# Altium PCB Copy of 211105 PCB.PcbDoc (part 2 of 3)
Units mm, origin at the board's own origin, x right, y up, seen from the top; angles counter-clockwise.
Board outline 140 x 119 mm, 4 copper layers (Top Layer, Int1 (GND), Int2 (PWR), Bottom Layer), stack 1.369 mm thick; 309 components, 158 nets, 868 pads, 911 vias.
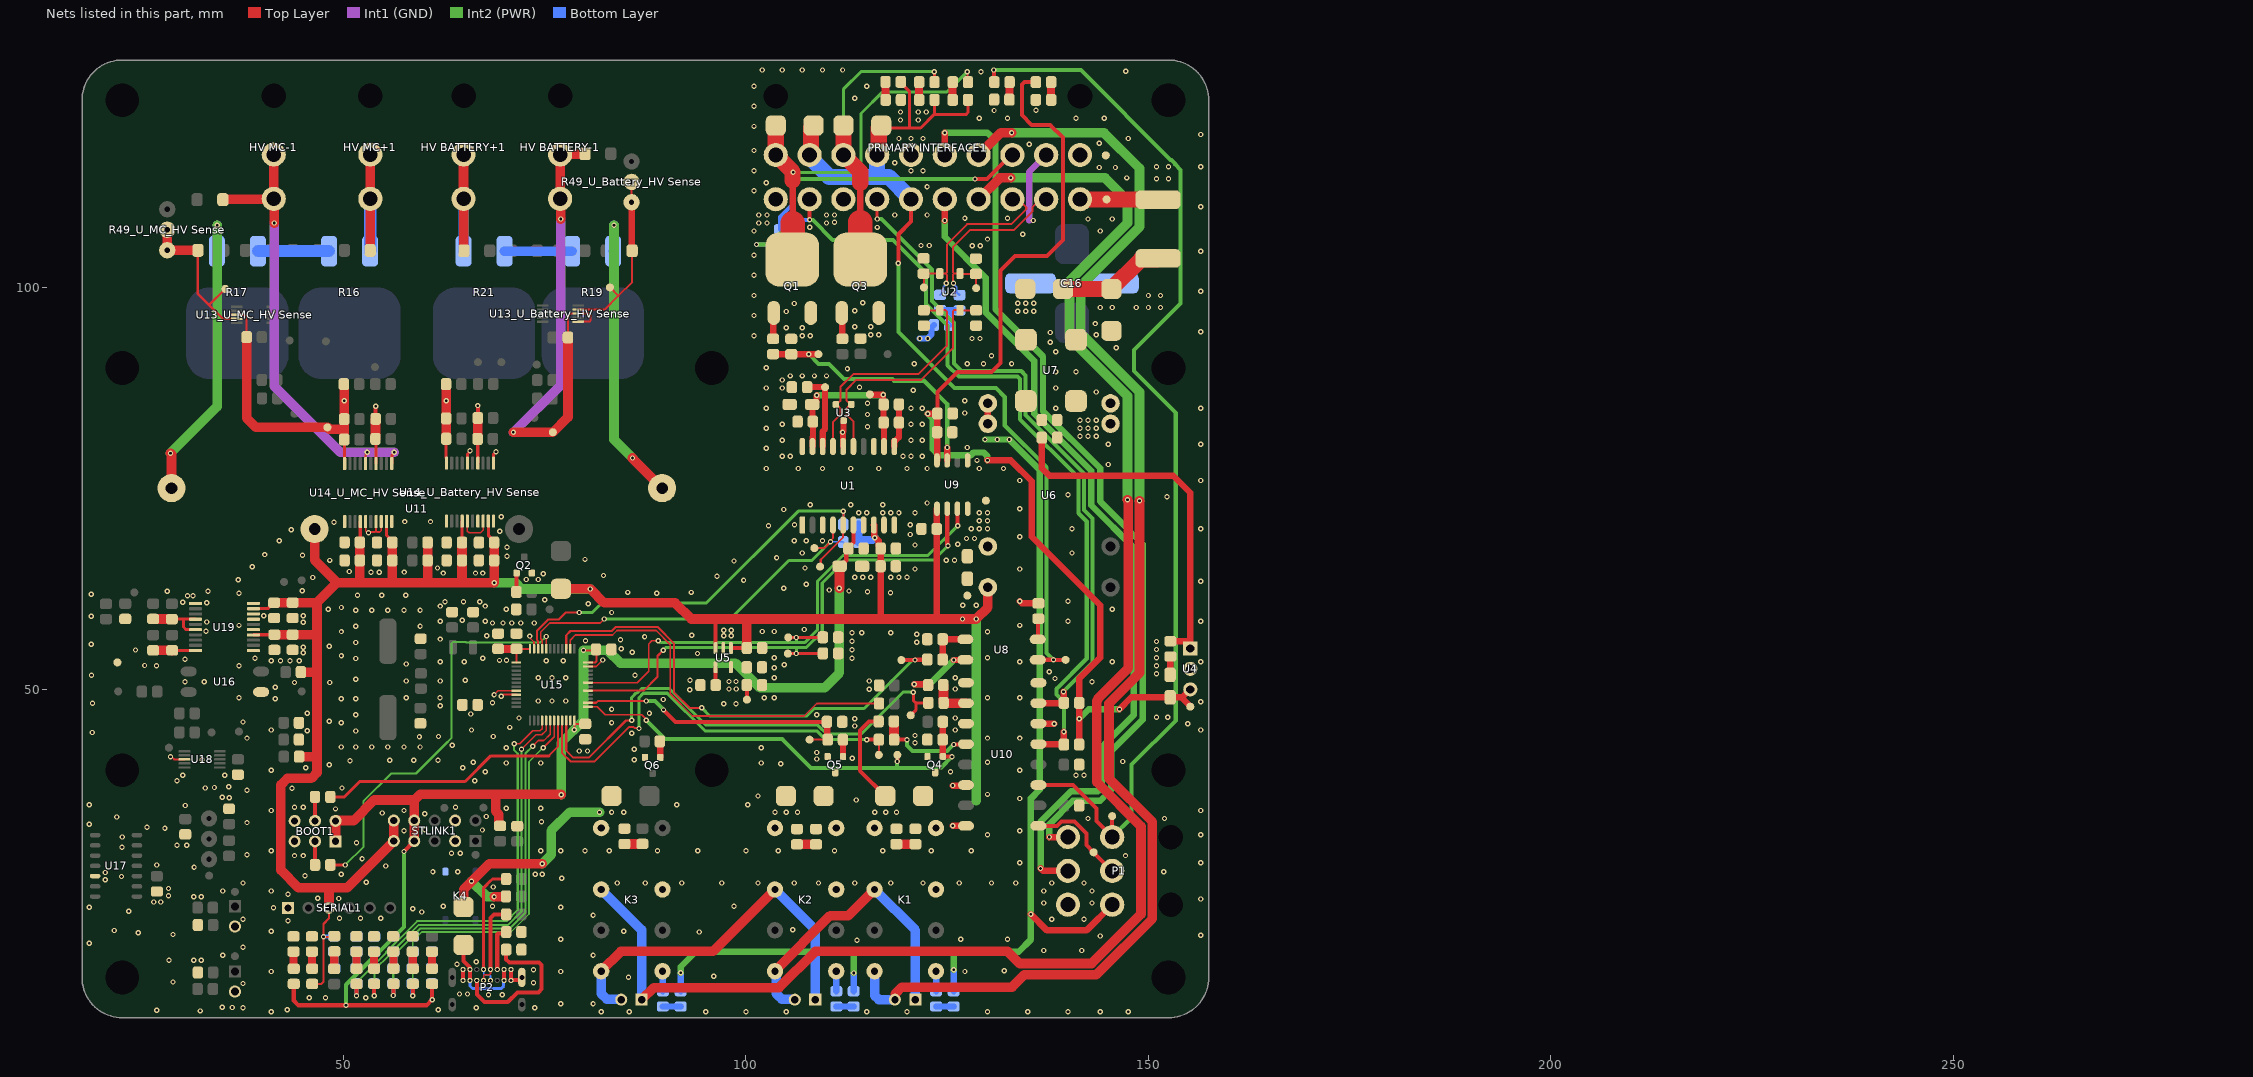
[diagram p4: the nets of this part, all layers, seen from the top]

## Via types
v1: diameter 0.66, hole 0.33, Top Layer to Bottom Layer, tented both sides, 911 vias

## Nets (pads, with @x,y where several pads share a name; then routed paths per layer and width w, separated by ;. In a path a pad name is that pad's centre, name@x,y a point inside that pad or via, vN(x,y) a via of type N, cw(c..) or ccw(c..) an arc to the next point about the centre after c; other vN are vias at no path point)
0V: C14.1 C15.1 C17.1 C18.1 C25.1 C26.1 P1.2 R32.1 R36.2 U4.2 U6.2 U6.3 U7.3 U9.5 U10.6 U10.8 | length 4.3
  Top Layer w0.8: U10.6@136.33,45.793 138.293,45.793 v1(138.3,45.8) ; C15.1@152.7,51.86 152.713,51.873 152.713,54.125 C14.1@152.726,54.138
  other v1: 138,21.5 142,21.5 137,23.5 143,23.5 137,25 143,25 138,26 142,26 147.15,29.4 142.5,34 141,39.4 142,39.4 143,51 138.4,51.4 151,52 137.675,52.25 151,53 145.5,53.5 151,54 151,55 151,56 140,58.5 145.5,60 140,61 140.5,67 140.5,70 140,74.25 145,78 128.7,78.5 127.5,80.1 145,80.5 141.5,81.5 142.5,81.5 143.5,81.5 141.5,82.5 142.5,82.5 143.5,82.5 141.5,83.5 142.5,83.5 143.5,83.5 127.171,84.4 138.5,85 127.171,85.9 143.5,87 138.5,87.5
"0V (Crystal 16MHZ)": C41.1 C42.1 R72.2
  other v1: 51.505,42.883 53.505,42.883 55.505,42.883 57.505,42.883 59.505,42.883 59.421,44.153 51.505,44.883 51.505,46.883 62,48 51.505,48.883 57.8,49 61.975,49 57.8,51.1 62,51.1 65.1,51.2 51.5,51.3 57.8,53.2 62,53.5 51.505,53.883 51.505,55.883 51.505,57.883 59.505,57.883 51.505,59.883 53.505,59.883 55.505,59.883 57.505,59.883 59.505,59.883
"0V (ISO)": "C32_U_Battery_HV Sense.1" "C32_U_MC_HV Sense.1" "C33_U_Battery_HV Sense.1" "C33_U_MC_HV Sense.1" "C34_U_Battery_HV Sense.1" "C34_U_MC_HV Sense.1" "C35_U_Battery_HV Sense.1" "C35_U_MC_HV Sense.1" "U14_U_Battery_HV Sense.1" "U14_U_Battery_HV Sense.5" "U14_U_Battery_HV Sense.7" "U14_U_Battery_HV Sense.8" "U14_U_Battery_HV Sense.10" "U14_U_MC_HV Sense.1" "U14_U_MC_HV Sense.5" "U14_U_MC_HV Sense.7" "U14_U_MC_HV Sense.8" "U14_U_MC_HV Sense.10" BOOT1.5 BOOT1.6 C1.1 C2.1 C7.1 C8.1 C19.1 C20.1 C21.1 C22.1 C23.1 C24.1 C36.1 C37.1 C38.1 C39.1 C40.1 C43.1 C44.1 C53.1 C54.1 C55.1 C56.1 C58.1 K4.2 P2.A1 P2.A12 P2.B1 P2.B12 P2.P1 Q2.S Q4.S Q5.S Q6.S R3.1 R4.1 R6.1 R14.1 R22.1 R28.1 R33.1 R35.1 R40.1 R55.1 R56.1 R57.1 R58.1 R70.2 R71.2 R72.1 R84.1 R90.1 R92.1 R93.1 R94.1 SERIAL1.1 STLINK1.3 STLINK1.4 TP10.1 U1.1 U1.3 U1.7 U1.9 U1.10 U5.2 U6.16 U9.4 U10.9 U10.11 U15.8 U15.23 U15.35 U15.47 U16.3 U19.1 U19.5 U19.7 U19.8 U19.10 | length 21.5
  Top Layer w0.203: 52.732,70.9 52.732,69.719 52.851,69.6 53.913,69.6 54.032,69.719 ; 54.032,70.9 54.032,69.719 ; 54.682,70.9 54.682,69.782 54.5,69.6 54.151,69.6 54.032,69.719 ; 65.383,70.956 65.383,69.717 65.6,69.5 67,69.5 67.333,69.833 67.333,70.956 ; v1(68.7,49.4) 69.191,49.891 U15.8@71.466,49.891 ; v1(73.14,56.674) 73.227,56.586 73.227,56.378 73.666,55.94 U15.47@73.666,55.091 ; U15.35@80.366,52.891 81.391,52.891 v1(82.2,53.7)
  Top Layer w0.508: P2.B1@64.848,13.895 P2.A12@64.848,15.245 ; P2.B12@70.771,13.868 P2.B12@70.798,13.895 ; P2.A1@70.798,15.245 P2.B12@70.798,13.895 ; P2.P1@72.148,14.265 72.148,14.104 71.967,13.923 70.825,13.923 P2.B12@70.798,13.895
  other v1: 41,10 43,10.25 61.75,10.25 66.5,10.5 73.75,10.5 77,11 45.75,11.75 47.75,11.75 52.75,11.75 68,12.1 69.7,12.1 64.4,12.2 65.4,12.2 73.6,13.6 41,15 77,15 73.6,15.2 64.1,15.9 66.5,16.2 77,19 41,20 43.1,21.3 49.5,21.6 52.1,21.6 54.6,21.6 59.7,22.4 58.6,22.8 41.3,22.9 77,23 62.4,23.1 68.5,23.1 49.388,24.061 46.8,24.1 43.1,24.6 41,25 68.6,25.5 52.825,26.075 77.1,26.6 45.2,26.9 49.7,27.1 73.8,27.1 74.7,27.1 61.1,27.4 64.2,27.4 55.225,28.1 52.3,29.025 43.9,29.4 45,29.4 63.4,29.7 64.5,29.7 41,30 74.5,30 77,30 80,30 83,30 89,30 94,30 100,30 104,30 111,30 117,30 123,30 128,30 51.6,31 130,32 57.5,32.5 67.25,32.575 60.075,32.625 74.6,33.6 67.725,34.25 60.1,34.6 54.8,34.7 41,35 57.5,35 49,35.2 70.2,35.3 74.5,35.3 43.9,35.4 45,35.4 63.9,35.4 91.4,35.7 100.2,35.7 113.7,36.3 101.5,36.8 130,37 43.6,37.75 49.8,37.8 66.3,38.7 67.6,39.8 125.4,39.8 41,40 45.3,40.3 64.8,40.3 48.2,40.7 104.3,40.8 70.2,40.9 74.5,40.9 101.9,40.9 66.125,41 130,41 50.8,41.2 55.73,41.233 58.73,41.233 61.73,41.233 86.1,41.3 108.8,41.4 113.2,41.5 108.8,42.2 79.3,42.4 80.3,42.4 86.1,42.6 70.2,42.8 101.9,42.8 49.7,42.9 63.5,43.1 121,43.426 130,44 61.8,44.2 68.6,44.2 121,44.326 85.8,44.6 45.5,44.9 41,45 65.9,45 126,45 70.65,45.325 113.5,45.5 49.7,45.9 83.3,45.9 48.2,46.1 113.5,46.4 71.8,46.5 126,46.5 108.8,46.9 65.8,47 45.5,47.1 88,47.1 83.3,47.6 97.25,48.25 98.75,48.25 68.5,48.4 74.2,48.6 75.9,48.6 77.6,48.6 89.7,48.8 41.5,48.9 49.7,48.9 37,49 102.25,49 103.5,49 130,49 93,50 115.306,50.086 126,50.1 41.5,50.3 43.9,50.9 48.3,50.9 115.3,51.1 93.04,51.175 74.2,51.5 75.9,51.5 77.6,51.5 103.5,51.5 126,51.5 86.2,51.8 103.5,52.75 37,53 104.75,53.125 65,53.5 41,53.6 42.167,53.6 43.333,53.6 44.5,53.6 75.2,53.6 77.3,53.6 39,53.9 67.3,53.9 113.175,53.9 103.5,54 130,54 49.73,54.233 93.975,54.5 45,54.6 85.875,54.65 113.175,54.967 84.5,55.1 45,55.3 48.2,55.4 121.2,55.9 113.175,56.033 80.05,56.1 84.4,56.2 62,56.3 87.4,56.6 67.8,56.7 97.25,56.7 98.15,56.7 93.24,56.775 121.2,56.9 114.375,57.075 113.175,57.1 117.975,57.1 130,57.2 49.73,57.233 102,57.25 103.5,57.25 97.25,57.4 98.15,57.4 107.237,57.49 37,58 68.5,58.3 69.8,58.3 70.9,58.3 72,58.3 73.7,58.3 45,58.4 62,58.5 67.6,58.5 64.75,58.65 40.1,59.2 45,59.2 83.3,59.6 48.1,60 70.2,60 49.73,60.233 62,60.4 67.6,60.4 80.4,60.7 62.6,60.925 64.9,60.925 66.9,60.925 75,61.2 51.73,61.733 54.73,61.733 57.73,61.733 37,62 88.9,62 117.95,62.075 85.3,62.1 93.2,62.1 115.1,62.175 112.8,62.275 44.85,62.3 110.35,62.4 104.7,62.6 107.5,63.1 99.7,63.6 36.925,63.675 72.7,63.7 74.2,63.7 46.15,63.95 113.5,64 114.5,64 115.5,64 118,64 119,64 120,64 96.4,64.1 82.3,64.2 74.8,64.4 62.4,64.5 66.4,64.5 67.3,64.5 53.4,64.6 54.425,64.6 57.55,64.625 50.7,64.7 121,65 61.675,65.125 107.325,65.125 38.65,65.275 98.5,66 48.3,66.075 124.9,66.1 125.9,66.1 80,66.2 103.8,66.425 70.3,66.6 44.9,66.7 40.2,66.8 107,67 70.3,67.7 121,68 126.3,68.1 42,68.5 106,68.5 107.5,68.5 109.5,68.5 127.4,68.8 128.4,68.8 120.4,69.3 53.1,69.5 69.4,69.7 43.5,69.9 128,70 129,70 130,70 102.8,70.4 120.4,70.5 106.025,70.525 48.8,70.8 57.6,70.9 60.8,70.9 129,71 130,71 69.6,71.5 114,72 115,72 117,72 118,72 119,72 121,72 129,72 130,72 104.7,72.4 108,73 113,73 117,73 122.5,73.2
"3.3V (ISO)": BOOT1.1 BOOT1.2 C1.2 C2.2 C22.2 C23.2 C37.2 C38.2 C39.2 C40.2 D5.A D20.A D33.A R65.2 STLINK1.7 STLINK1.8 TP8.1 U1.6 U5.5 U15.1 U15.9 U15.24 U15.36 U15.48 | length 177.9
  Top Layer w0.254: v1(69.6,49.2) 69.71,49.2 69.901,49.391 U15.9@71.466,49.391 ; U15.1@71.466,53.391 71.474,53.399 C40.2@71.474,55.087 73.162,55.087 U15.48@73.166,55.091 ; U15.24@78.666,46.191 U15.24@78.666,45.801 ; v1(78.675,45.05) 78.666,45.059 U15.24@78.666,45.801 ; v1(79.8,54.9) 81.236,54.9 C39.2@81.362,55.026 81.4,54.988 81.4,53.54 81.251,53.391 U15.36@80.366,53.391 ; C38.2@80.026,45.763 80.011,45.778 78.689,45.778 U15.24@78.666,45.801
  Top Layer w0.508: D5.A@43.808,13.45 43.808,11.392 44.4,10.8 60.3,10.8 v1(61,11.5) D20.A@61,13.45 ; v1(57.5,29.9) 57.5,29.915 58.78,31.195 STLINK1.7@58.78,31.21 ; C23.2@100.09,50.6 100.103,50.588 100.103,48.788 TP8.1@100.115,48.775 ; C1.2@111.622,65.353 111.77,65.353 112.458,66.041 112.458,67.289 C2.2@112.722,67.553 112.722,67.692 113.344,68.314 U1.6@113.344,70.475
  Top Layer w1: C37.2@69.199,55.087 C40.2@71.474,55.087
  Top Layer w1.2: BOOT1.1@48.997,31.17 BOOT1.2@48.997,33.71 49.055,33.767 51.267,33.767 53.8,36.3 58.8,36.3 ; STLINK1.7@58.78,31.21 STLINK1.8@58.78,33.75 58.8,33.77 58.8,36.3 ; R65.2@69.446,33.086 69.346,33.086 69.296,33.136 69.296,34.529 68.9,34.926 68.9,37.007 ; v1(77.046,36.969) 77.008,37.007 68.9,37.007 ; v1(111.6,62.6) 111.622,62.622 C1.2@111.622,65.353 ; 58.8,36.3 59.507,37.007 68.9,37.007
  Int2 (PWR) w0.508: v1(50.3,10.8) 50.3,13.35 57.5,20.55 v1(57.5,29.9)
  Int2 (PWR) w1.2: v1(77.046,36.969) 77.046,43.421 79.8,46.175 v1(79.8,54.9) 82.8,54.9 84.384,53.316 98.684,53.316 101.75,50.25 109.75,50.25 111.6,52.1 v1(111.6,62.6)
  Bottom Layer w0.508: D33.A@60.974,13.511 60.987,13.498 60.987,11.513 v1(61,11.5)
  other v1: 97.89,50.1 98.79,50.1 97.89,51.025 98.765,51.025 69.375,53.65 70.25,53.675
3V3_BP: C21.2 U5.4 | length 2.2
  Top Layer w0.5: U5.4@96.228,52.812 96.234,52.806 96.234,50.581 C21.2@96.24,50.575
5V: C15.2 C25.2 C26.2 D3.A R10.2 R24.2 TP5.1 U4.3 U9.8 | length 138
  Top Layer w0.508: C26.2@123.788,84.323 123.788,86.988 126.3,89.5 130.5,89.5 131.6,90.6 131.6,102.1 133.4,103.9 137.4,103.9 139.4,105.9 139.4,118.6 137.8,120.2 135.5,120.2 134.3,121.4 134.3,125.202 134.598,125.5 D3.A@136.015,125.5
  Top Layer w0.8: v1(122.6,84.3) 123.627,84.3 123.769,84.442 123.769,82.019 C25.2@123.75,82 123.74,81.99 123.74,78.51 U9.8@123.73,78.5 ; v1(130,78.5) 132.9,78.5 135.5,75.9 135.5,69 144,60.5 144,54 141.4,51.4 R24.2@141.4,48.374 v1(141.4,46.4) R10.2@141.4,43.2 ; v1(146.4,47.6) 147.86,49.06 154.2,49.06 ; TP5.1@155.2,47.9 155.2,47.954 154.2,48.954 154.2,49.06 ; U4.3@155.2,50.06 154.2,49.06
  Int2 (PWR) w0.8: v1(122.6,84.3) 123.2,83.7 123.2,79.9 123.984,79.116 127.908,79.116 128.276,79.484 129.531,79.484 130,79.015 v1(130,78.5) ; v1(141.4,46.4) 142.6,47.6 v1(146.4,47.6)
"5V (CAN)": C3.2 C4.2 C5.2 C6.2 TP1.1 U1.12 U1.19 | length 23.2
  Top Layer w0.762: U1.19@108.264,80.229 108.29,80.254 108.29,81.401 108.31,81.421 C3.2@108.31,83.314 108.266,83.358 108.266,85.41 C4.2@108.222,85.453 108.422,85.453 108.741,85.772 108.741,86.541 v1(108.8,86.6) ; TP1.1@115.4,86.7 115.443,86.657 v1(117.043,86.657) 117.043,85.508 C5.2@117.096,85.455 C6.2@117.096,83.205 117.129,83.172 117.129,80.254 U1.12@117.154,80.229
  Int2 (PWR) w0.762: v1(108.8,86.6) 116.986,86.6 v1(117.043,86.657)
"5V (ISO)": "C32_U_Battery_HV Sense.2" "C32_U_MC_HV Sense.2" "C33_U_Battery_HV Sense.2" "C33_U_MC_HV Sense.2" "C34_U_Battery_HV Sense.2" "C34_U_MC_HV Sense.2" "C35_U_Battery_HV Sense.2" "C35_U_MC_HV Sense.2" "U14_U_Battery_HV Sense.4" "U14_U_Battery_HV Sense.9" "U14_U_MC_HV Sense.4" "U14_U_MC_HV Sense.9" C7.2 C8.2 C19.2 C20.2 C24.2 C53.2 C54.2 C55.2 C56.2 D4.A D9.K D13.K D14.A D16.K D17.A D18.K D19.A D21.K K1.16 K2.16 K3.16 R9.2 R18.2 R23.2 R53.2 R60.2 R61.2 R62.2 R63.2 R66.2 R73.2 R95.2 SERIAL1.3 STLINK1.9 STLINK1.10 TP7.1 U1.8 U5.1 U5.3 U6.14 U8.4 U9.1 U10.14 U10.16 U11.2 U19.4 U19.9 | length 349.7
  Top Layer w0.254: D4.A@46.101,13.45 47.25,13.45 47.5,13.7 v1(47.5,19.3) ; SERIAL1.3@48.18,22.9 48.18,21.58 47.5,20.9 v1(47.5,19.3) ; R18.2@48.855,19.386 48.768,19.3 v1(47.5,19.3)
  Top Layer w0.381: U19.4@38.8,56.825 38.811,56.836 41.383,56.836 C56.2@41.394,56.847 ; U19.9@38.8,60.075 40.586,60.075 41.329,60.819 C54.2@41.369,60.819 ; 52.017,68.327 52.073,68.383 52.073,70.89 52.082,70.9 ; 55.332,70.9 55.332,69.19 56.05,68.473 56.05,68.3 ; 64.713,68.3 64.724,68.311 64.724,70.947 64.733,70.956 ; 67.983,70.956 67.983,69.202 68.713,68.473 68.713,68.3
  Top Layer w0.5: 96.2,58.8 96.228,58.772 U5.3@96.228,55.174 ; U5.1@98.128,55.174 98.128,55.179 98.137,55.188 100.089,55.188 C20.2@100.102,55.201
  Top Layer w0.508: R9.2@116.476,46.08 115.298,46.08 114.162,44.944 114.162,39.938 D13.K@117.3,36.8
  Top Layer w0.8: U1.8@115.884,70.475 115.929,70.431 v1@115.929,69.071 ; v1@116.05,68.95 116.472,68.528 116.472,67.803 C8.2@116.722,67.553 C7.2@116.722,65.353 116.722,58.822 116.7,58.8 ; v1(120.9,50.7) 122.502,50.7 R23.2@122.626,50.576 ; 123.7,58.8 C24.2@123.7,70 123.715,70.015 123.715,72.485 U9.1@123.73,72.5 ; v1(125.7,33.1) 127.323,33.1 U10.16@127.33,33.093 ; v1(125.7,38.1) 127.256,38.1 U10.14@127.33,38.173 ; v1(125.8,53.7) 127.22,53.7 U8.4@127.25,53.73
  Top Layer w1.2: C54.2@41.369,60.819 41.37,60.82 43.673,60.82 C53.2@43.675,60.822 46.7,60.822 ; C56.2@41.394,56.847 41.396,56.848 C55.2@43.673,56.848 43.675,56.85 46.65,56.85 46.7,56.8 ; R53.2@44.474,41.697 46.597,41.697 46.7,41.8 ; R73.2@44.7,52.2 46.6,52.2 46.7,52.1 ; U11.2@46.4,69.975 46.4,66.103 49.191,63.313 ; SERIAL1.3@48.18,22.9 48.18,25.38 48.2,25.4 ; 52.017,68.327 52.019,68.324 52.019,66.077 52.022,66.075 52.022,63.313 ; 56.05,63.3 56.05,66.075 56.05,68.3 ; STLINK1.10@56.24,33.75 STLINK1.9@56.24,31.21 50.43,25.4 48.2,25.4 ; R60.2@60.438,68.3 R61.2@60.438,66.075 60.438,63.313 ; 64.713,68.3 64.713,66.075 64.713,63.313 ; D21.K@64.9,23 64.942,23.042 64.942,25.237 68.105,28.4 v1(74.7,28.4) ; v1(68.7,24.3) 70.154,24.3 R66.2@70.179,24.325 ; 68.713,68.3 68.713,66.075 v1(68.713,63.313) 64.713,63.313 ; D9.K@77,62.55 80.632,62.55 v1(80.666,62.516) 82.382,60.8 91.2,60.8 93.2,58.8 96.2,58.8 100.1,58.8 ; C20.2@100.102,55.201 100.1,55.204 100.1,58.8 ; U6.14@130.05,62.73 130.05,60.25 v1(128.6,58.8) v1(126.9,58.8) 123.7,58.8 116.7,58.8 100.1,58.8 ; 46.7,41.8 46.7,52.1 ; 46.7,41.8 46.7,39.703 45.997,39 43,39 42.2,38.2 42.2,27.603 44.403,25.4 48.2,25.4 ; 46.7,52.1 46.7,56.8 ; 46.7,56.8 46.7,60.822 ; 46.7,60.822 49.191,63.313 ; 49.191,63.313 52.022,63.313 ; 52.022,63.313 60.438,63.313 ; 60.438,63.313 64.713,63.313
  Int2 (PWR) w0.8: v1(120.9,50.7) 122.8,50.7 v1(125.8,53.7) 128.6,53.7
  Int2 (PWR) w1.2: v1(65.903,26.197) 67.8,24.3 v1(68.7,24.3) ; v1(68.713,63.313) 71.337,63.313 72.134,62.516 v1(80.666,62.516) ; v1(74.7,28.4) 75.8,29.5 75.8,32.5 78.1,34.8 v1(81.8,34.8) ; 128.6,36.2 128.6,53.7 v1(128.6,58.8)
  Bottom Layer w0.5: v1(47.5,19.3) 47.531,19.331 48.771,19.331 R95.2@48.825,19.384
  Bottom Layer w1: R62.2@113.988,68.355 R62.2@113.988,68.455 ; R63.2@113.988,70.526 R62.2@113.988,68.455 ; v1(116,68.9) 115.705,68.605 114.138,68.605 R62.2@113.988,68.455
  other v1: 83.3,34.8 84.8,34.8 103.6,34.8 105,34.8 106.4,34.8 116,34.8 117.35,34.8 118.7,34.8 126.925,60.5 128.6,60.5
12V/24V: C16.2 D1.K U7.1
  other v1: 133.75,97.025 134.75,97.025 135.75,97.025 133.75,98.025 134.75,98.025 135.75,98.025
"12V/24V (Filtered)": C14.2 C17.2 C18.2 D26.A D28.A D30.A P1.1 U4.1 U6.22 U6.23 U7.2 | length 185
  Top Layer w0.8: U6.22@130.05,83.05 U6.23@130.05,85.59 ; v1(135.4,22.1) 137.4,20.1 142.3,20.1 P1.1@145.5,23.3 ; C17.2@136.762,81.326 136.762,77.538 137.7,76.6 153.1,76.6 155.2,74.5 155.2,56.038 ; C14.2@152.726,56.038 155.2,56.038 ; U4.1@155.2,55.14 155.2,56.038
  Int2 (PWR) w0.8: v1(91.9,14.827) 91.9,15.6 93.75,17.45 113.379,17.45 ; v1(113.379,14.812) 113.379,17.45 ; v1(125.8,15.225) 125.8,17.45 ; v1(129.7,81.1) v1(132.7,81.1) 136.5,77.3 136.5,37.6 135.4,36.5 v1(135.4,22.1) 135.4,18.975 133.875,17.45 125.8,17.45 ; 113.379,17.45 125.8,17.45
  Bottom Layer w0.8: D30.A@91.876,12.55 91.876,12.776 91.9,12.8 v1(91.9,14.827) ; D28.A@113.379,12.55 v1(113.379,14.812) ; D26.A@125.8,12.55 v1(125.8,15.225)
  other v1: 131.2,81.1
_BOOT0: R64.2 U15.44 | length 50.3
  Top Layer w0.203: U15.44@75.166,55.091 75.17,55.094 75.17,56.62 v1(75.173,56.623)
  Top Layer w0.381: R64.2@48.363,28.237 v1(50.213,28.237)
  Int2 (PWR) w0.254: v1(50.213,28.237) 52.5,30.523 52.5,36.2 55.9,39.6 59,39.6 62.789,43.389 62.789,43.395 63.205,43.811 63.211,43.811 63.4,44 63.4,55.74 63.571,55.911 65.195,55.911 65.217,55.889 74.439,55.889 v1(75.173,56.623)
_BOOT1: R59.1 U15.20 | length 34.1
  Top Layer w0.254: 75.5,41.8 76.666,42.966 U15.20@76.666,46.191
  Top Layer w0.381: R59.1@48.35,36.689 50.089,36.689 52,38.6 65.105,38.6 68.305,41.8 75.5,41.8
"AIR Power": "PRIMARY INTERFACE1.12" "PRIMARY INTERFACE1.13" "PRIMARY INTERFACE1.17" D6.A D7.K D11.K R11.2 R25.2 TP11.1 U8.1 | length 119.1
  Top Layer w0.381: D11.K@116.8,120.1 117.1,119.8 120.3,119.8 ; D6.A@119.231,125.531 119.231,125.431 120.3,124.363 120.3,119.8 ; R25.2@123.421,123.302 123.421,121.521 123.4,121.5 ; R11.2@127.585,123.302 127.585,121.723 127.362,121.5 123.4,121.5 ; 120.3,119.8 121.7,119.8 123.4,121.5
  Top Layer w0.508: v1(118.925,103) 118.925,106.6 120.5,108.175 120.5,110.95 ; U8.1@136.25,53.73 136.252,53.727 138.198,53.727 v1(138.2,53.725) TP11.1@139.7,53.725
  Top Layer w2: 107.9,116.45 108.091,116.641 108.091,119.791 D7.K@108.4,120.1 ; 116.3,116.45 116.491,116.641 116.491,119.791 D11.K@116.8,120.1
  Int2 (PWR) w0.508: v1(118.925,103) 118.925,94.475 125.925,87.475 131.05,87.475 132.15,86.375 132.15,82.862 137.357,77.655 137.357,54.568 v1(138.2,53.725)
  Bottom Layer w2: 107.9,116.45 107.9,116.179 110.35,113.73 116.3,113.73 ; 116.3,116.45 116.3,113.73 ; 120.5,110.95 117.72,113.73 116.3,113.73
AIR+: "PRIMARY INTERFACE1.15" D11.A D12.K Q3.D | length 39.2
  Top Layer w0.381: v1(123.4,126.8) 123.41,126.79 123.41,125.51 D12.K@123.421,125.5
  Top Layer w0.8: 114.19,108.115 114.19,110.07 114.2,110.08 114.2,111.82 114.19,111.83 114.19,112.985
  Top Layer w2: D11.A@112.1,120.1 112.1,116.45 114.19,114.36 114.19,112.985
  Top Layer w3: 114.19,108.115 114.2,108.104 Q3.D@114.2,103.475
  Int2 (PWR) w0.381: 112.1,116.45 112.1,124.6 114.3,126.8 v1(123.4,126.8)
"AIR+ (ISO)": R28.2 TP16.1 U9.3 U15.31 | length 66.8
  Top Layer w0.203: U15.31@80.366,50.891 86.491,50.891 87.9,52.3 87.9,55.7 88.289,56.089 89.089,56.089 v1(89.1,56.1)
  Top Layer w0.381: TP16.1@105.25,56.5 v1(106.25,56.5) 106.263,56.513 109.549,56.513 R28.2@109.562,56.526
  Top Layer w0.508: U9.3@126.27,72.5 126.27,70.471 126.3,70.441 v1(126.3,70.4)
  Int2 (PWR) w0.381: v1(89.1,56.1) 89.175,56.1 89.416,55.859 106.25,55.859 ; v1(106.25,56.5) 106.25,55.859 ; v1(126.3,70.4) 122.584,66.684 112.059,66.684 108.875,63.5 108.875,57.451 107.283,55.859 106.25,55.859
"AIR+ Feedback (ISO)": R26.1 TP?.1 U15.22 | length 61.8
  Top Layer w0.254: U15.22@77.666,46.191 77.666,42.441 78.544,41.562 80.468,41.562 85.089,46.183 85.783,46.183 v1(85.8,46.2)
  Top Layer w0.381: TP?.1@120.468,46.837 121.1,47.469 121.1,48.373 121.098,48.375 ; v1(120.8,49.7) 120.8,48.673 121.098,48.375 ; R26.1@122.65,48.375 121.098,48.375
  Int2 (PWR) w0.381: v1(85.8,46.2) 85.8,49.05 86.375,49.625 86.472,49.625 87.006,50.159 90.467,50.159 95.026,45.6 108.9,45.6 109.016,45.484 109.042,45.484 110.015,44.511 114.311,44.511 119.5,49.7 v1(120.8,49.7)
"AIR+ Feedback Out": "PRIMARY INTERFACE1.14" R24.1 U10.7 | length 83
  Top Layer w0.381: v1(116.3,108.5) 116.3,110.95
  Top Layer w0.8: U10.7@136.33,48.333 136.35,48.354 139.48,48.354 R24.1@139.5,48.374 139.5,49.725 v1(139.45,49.775)
  Int2 (PWR) w0.508: v1(116.3,108.5) 116.314,108.486 116.814,108.486 123.1,102.2 123.1,98.325 125.825,95.6 125.825,90.55 126.75,89.625 134.2,89.625 134.75,89.075 134.75,84.125 142,76.875 142,72.325 143.05,71.275 143.05,53.375 v1(139.45,49.775)
AIR-: "PRIMARY INTERFACE1.19" D7.A D8.K Q1.D R85.1 | length 56.9
  Top Layer w0.254: v1(127.5,126.8) 127.543,126.757 127.543,125.543 D8.K@127.585,125.5
  Top Layer w0.8: 105.788,107.988 105.788,110.068 105.8,110.08 105.8,111.82 105.788,111.832 105.788,113.262
  Top Layer w2: D7.A@103.7,120.1 103.7,116.45 v1@105.8,114.35 ; 105.788,113.262 v1@105.788,114.238
  Top Layer w3: 105.788,107.988 105.8,107.974 Q1.D@105.8,103.525
  Int2 (PWR) w0.381: v1(105.85,114.3) 113.2,114.3 114.3,115.4 114.3,121.6 117,124.3 125,124.3 v1(127.5,126.8)
  Bottom Layer w0.5: R85.1@104.225,107.2 104.225,108.717 105.85,110.342 v1(105.85,114.3)
"AIR- (ISO)": R14.2 TP45.1 U9.2 U15.29 | length 67
  Top Layer w0.254: U15.29@80.366,49.891 87.291,49.891 89,51.6 89,54.2 v1(89.7,54.9)
  Top Layer w0.381: TP45.1@105.2,54.5 v1(106.25,54.5) ; v1(106.25,54.5) 109.536,54.5 R14.2@109.562,54.526
  Top Layer w0.508: U9.2@125,72.5 125,68.041 125.1,67.941 v1(125.1,67.9)
  Int2 (PWR) w0.381: v1(89.7,54.9) 90.075,55.275 106.25,55.275 ; v1(106.25,54.5) 106.25,55.275 ; v1(125.1,67.9) 123.3,66.1 112.301,66.1 109.475,63.274 109.475,57.225 107.525,55.275 106.25,55.275
"AIR- Feedback (ISO)": R12.1 TP13.1 U15.21 | length 54
  Top Layer w0.254: U15.21@77.166,46.191 77.166,42.134 78.2,41.1 81.2,41.1 85.5,45.4 86.006,45.4 86.128,45.278 86.622,45.278 v1(86.7,45.2) ; TP13.1@116.5,41.9 R12.1@116.5,43.8
  Top Layer w0.508: v1(115,43.8) R12.1@116.5,43.8
  Int2 (PWR) w0.381: v1(86.7,45.2) 86.7,49.027 87.248,49.575 90.225,49.575 94.9,44.9 108.8,44.9 109.9,43.8 v1(115,43.8)
"AIR- Feedback Out": "PRIMARY INTERFACE1.18" R10.1 R86.1 U10.5 | length 98.4
  Top Layer w0.508: v1(107.9,108.4) 107.9,110.95
  Top Layer w0.8: U10.5@136.33,43.253 136.356,43.227 139.473,43.227 R10.1@139.5,43.2 v1(139.5,44.8)
  Int2 (PWR) w0.508: v1(107.9,108.4) 107.929,108.371 108.304,108.371 110.775,105.9 118.275,105.9 122.389,101.786 122.389,97.936 125.05,95.275 125.05,90.319 126.455,88.914 133.741,88.914 134.039,88.616 134.039,83.611 141.289,76.361 141.289,71.936 142.339,70.886 142.339,53.864 138.6,50.125 138.6,49.4 139.5,48.5 v1@139.5,44.812
  Bottom Layer w0.508: R86.1@106.425,107.2 106.475,107.25 106.475,108.052 106.808,108.385 107.885,108.385 v1(107.9,108.4)
"AMS OK (ISO)": R39.1 R40.2 TP21.1 U15.26 | length 35.4
  Top Layer w0.254: U15.26@80.366,48.391 81.391,48.391 81.6,48.6 v1(87.6,48.6) ; TP21.1@107.9,43.8 R39.1@110.15,43.8